# Altium PCB Carte_Alim-light_alim.PcbDoc (part 1 of 3) (continued)
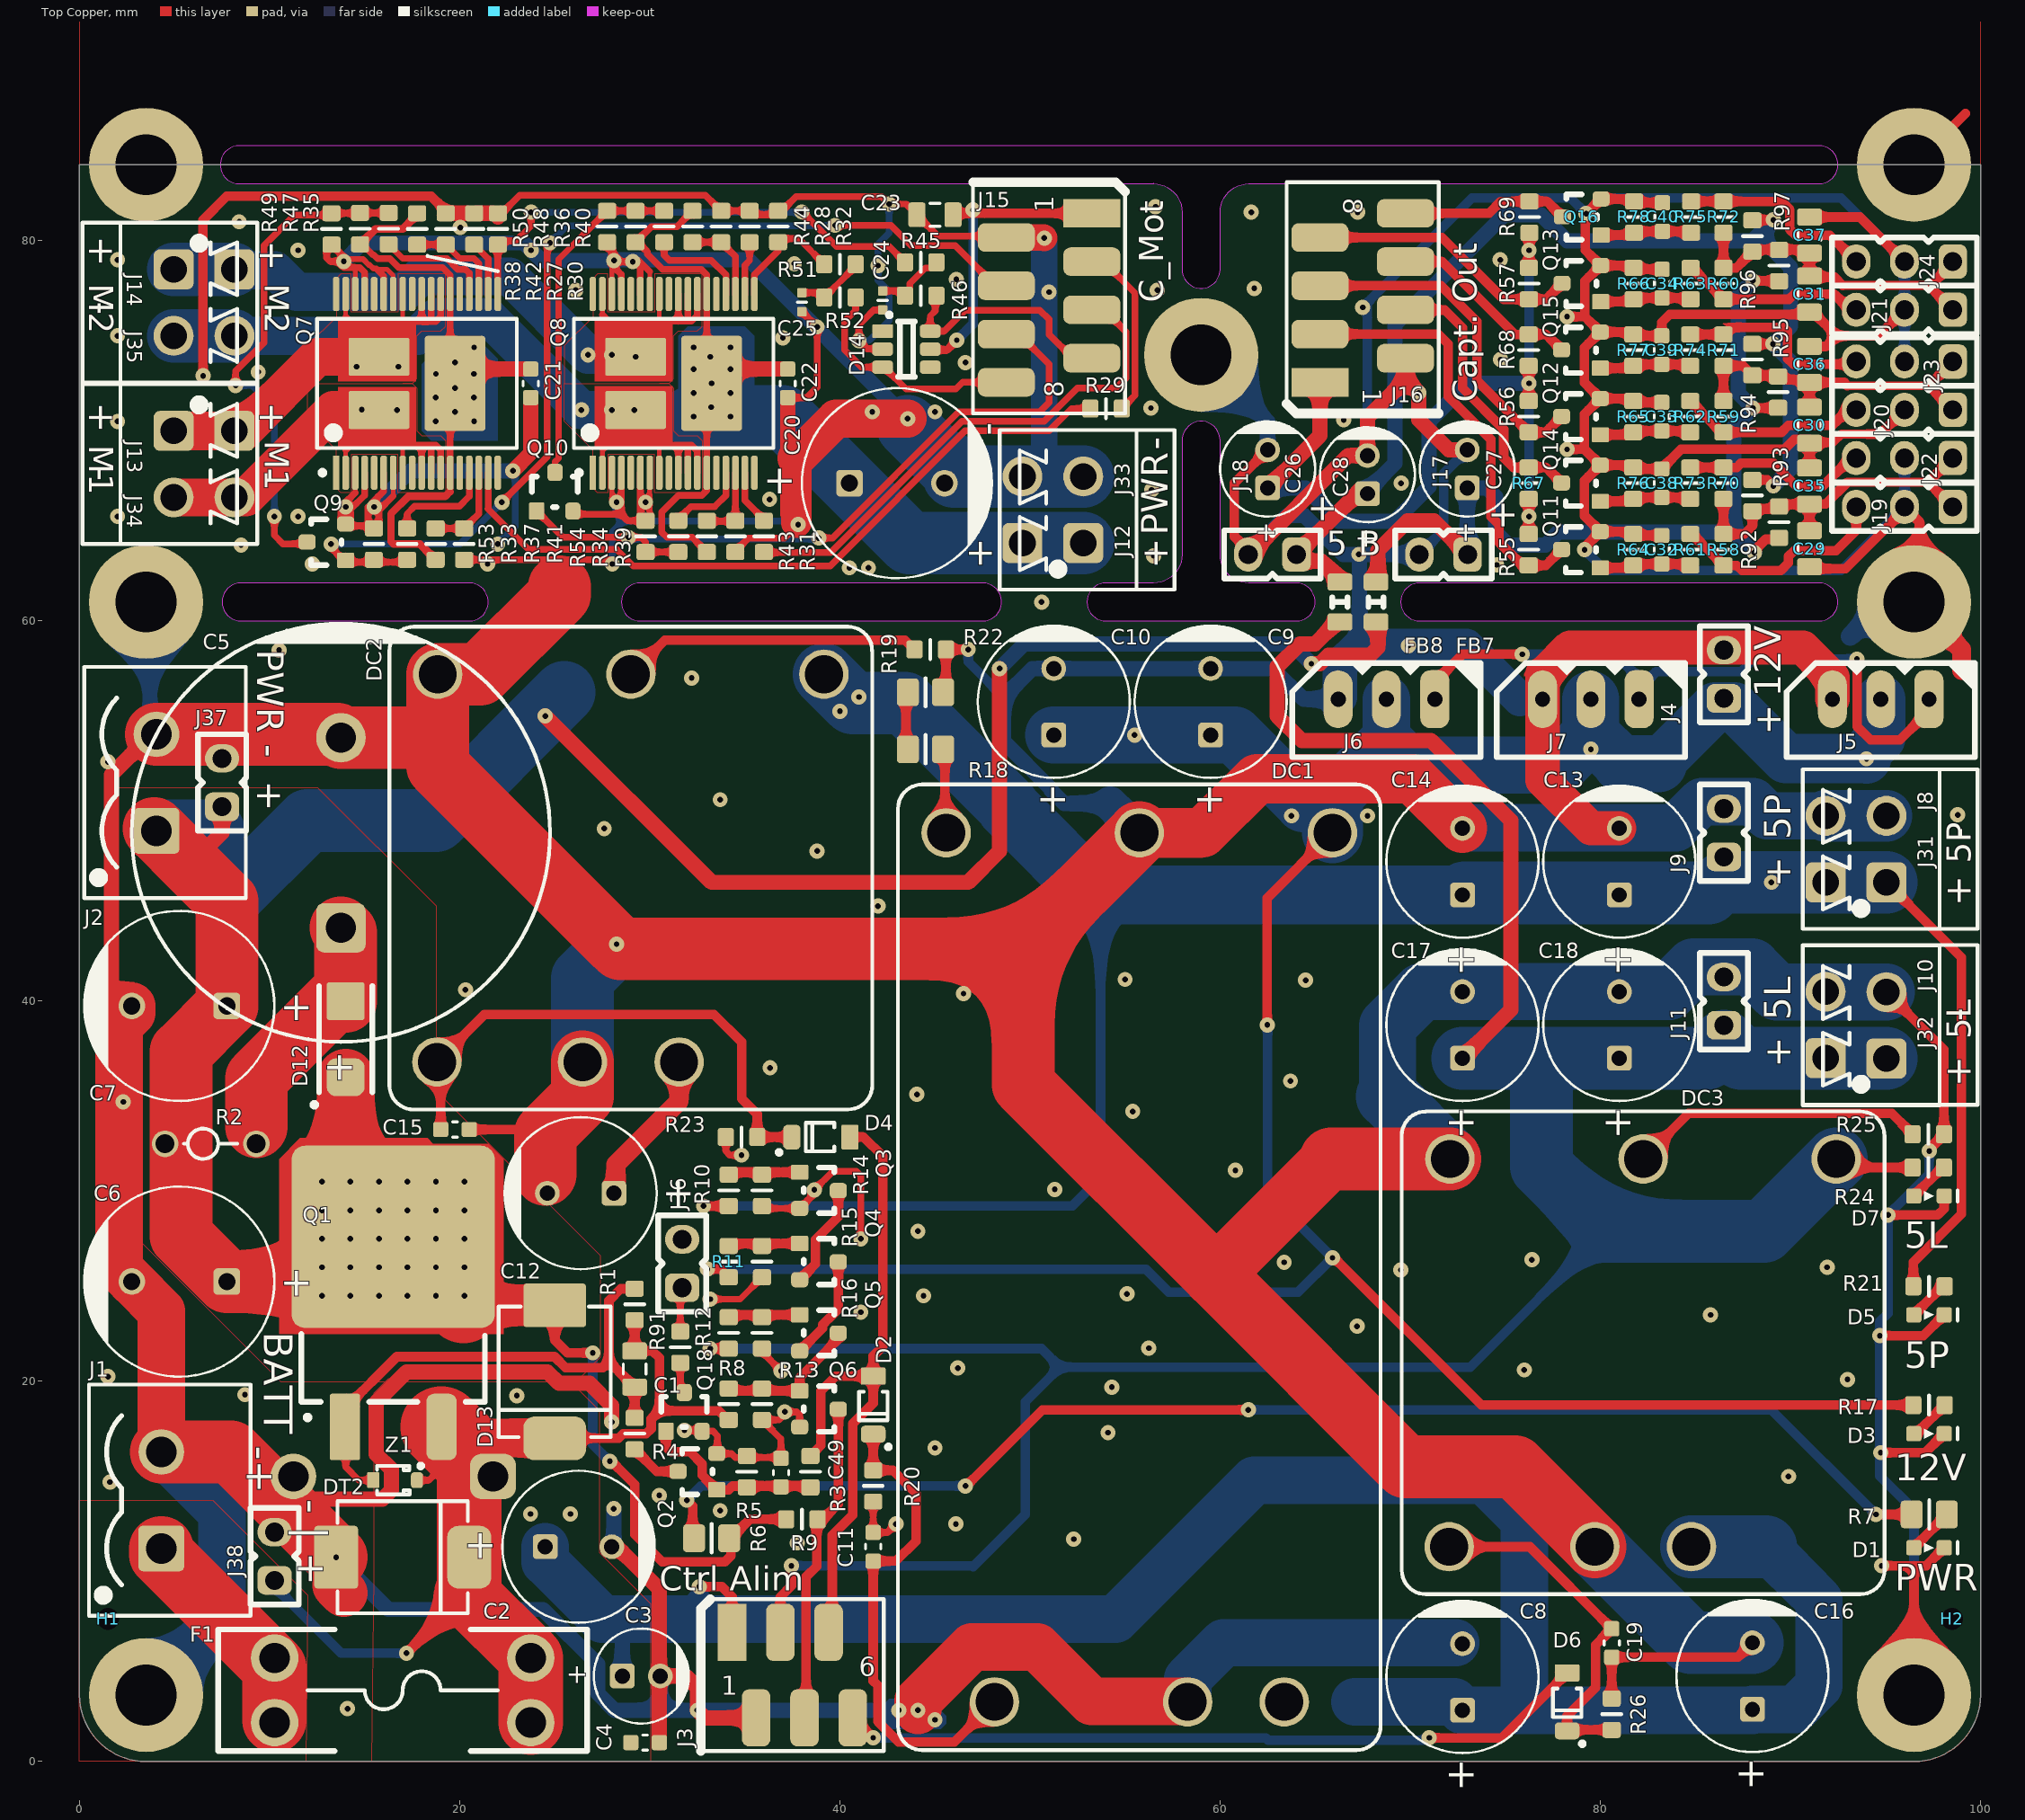
[diagram p0: Top Copper view]
## Design rules (kind name [scope] priority, off if disabled: settings)
AssemblyTestPointUsage [All] p1 off:
AssemblyTestpoint [All] p1 off: testpointundercomponent=TRUE minsize=1.016 maxsize=2.54 preferedsize=1.524 minholesize=0 maxholesize=1.016 preferedholesize=0.813 testpointgrid=0.025 usegrid=TRUE gridtolerance=0 allowsidetop=TRUE allowsidebottom=TRUE
BoardOutlineClearance [All] p1: gap=0.2 ignorepadtopadclearanceinfootprint=FALSE
Clearance Clearance_Power [InNetClass('Power') vs InNet('GND')] p1: gap=0.2 ignorepadtopadclearanceinfootprint=TRUE
Clearance Clearance_Outer_layer [OnOutside] p2: gap=0.127 ignorepadtopadclearanceinfootprint=FALSE except(0.09: Arc-Arc Arc-Track Track-Track; 0.2: Arc-SMDPad Track-SMDPad; 0.254: Arc-Hole Track-Hole SMDPad-Hole THPad-Hole Via-Hole Fill-Hole Poly-Hole Region-Hole Text-Hole; 0.33: Arc-THPad Track-THPad SMDPad-THPad; 0.54: THPad-THPad)
Clearance Clearance_Inner_layer [not OnOutside] p3: gap=0.127 ignorepadtopadclearanceinfootprint=FALSE except(0.2: Arc-SMDPad Track-SMDPad; 0.254: Arc-Hole Track-Hole SMDPad-Hole THPad-Hole Via-Hole Fill-Hole Poly-Hole Region-Hole Text-Hole; 0.33: Arc-THPad Track-THPad SMDPad-THPad; 0.54: THPad-THPad)
ComponentClearance [IsComponent and (not (InComponent('J202') or InComponent('J204'))) vs IsComponent and (not (InComponent('J201') or InComponent('J203')))] p1: gap=0.2 collisioncheckmode=3 verticalgap=2540 showdistances=FALSE
DiffPairsRouting [All] p1 off: maxlimit=0.254 minlimit=0.254 mostfreqgap=0.254 toplayer_minwidth=0.381 toplayer_maxwidth=0.381 toplayer_prefwidth=0.381 bottomlayer_minwidth=0.381 bottomlayer_maxwidth=0.381 bottomlayer_prefwidth=0.381 maxuncoupledlength=12.7
FabricationTestPointUsage TestPointUsage [All] p1 off: valid=0 allowmultiple=FALSE
FabricationTestpoint Testpoint [All] p1 off: side=3 testpointundercomponent=TRUE minsize=1.016 maxsize=2.54 preferedsize=1.524 minholesize=0 maxholesize=1.016 preferedholesize=0.813 testpointgrid=0.025 allowsidetop=TRUE allowsidebottom=TRUE usegrid=TRUE gridtolerance=0
FanoutControl Fanout_BGA [IsBGA] p1 off: bgadir=Out bgaviamode=Centered fanoutstyle=Auto fanoutdirection=Alternating viagrid=0.025 // Fanout_BGA (Default Rule)
FanoutControl Fanout_LCC [IsLCC] p2 off: bgadir=Out bgaviamode=Centered fanoutstyle=Auto fanoutdirection=Alternating viagrid=0.025 // Fanout_LCC (Default Rule)
FanoutControl Fanout_SOIC [IsSOIC] p3 off: bgadir=Out bgaviamode=Centered fanoutstyle=Auto fanoutdirection=Alternating viagrid=0.025 // Fanout_SOIC (Default Rule)
FanoutControl Fanout_Small [(CompPinCount < 5)] p4 off: bgadir=Out bgaviamode=Centered fanoutstyle=Auto fanoutdirection=OutThenIn viagrid=0.025 // Fanout_Small (Default Rule)
FanoutControl Fanout_Default [All] p5 off: bgadir=Out bgaviamode=Centered fanoutstyle=Auto fanoutdirection=Alternating viagrid=0.025 // Fanout_Default (Default Rule)
HoleSize [All] p1: absolutevalues=TRUE maxlimit=6.3 minlimit=0.2 maxpercent=80.000 minpercent=20.000
HoleToHoleClearance ViaToViaClearance [IsVia vs IsVia] p1: gap=0.254 allowstackedmicrovias=TRUE
HoleToHoleClearance [All] p2: gap=0.54 allowstackedmicrovias=TRUE
MinimumAnnularRing [All] p1: minimumring=0.13
MinimumSolderMaskSliver [All] p1: minsoldermaskwidth=0.075
NetAntennae NetAntenna [All] p1: netantennaetolerance=0
PlaneClearance [All] p1: clearance=0.254
PlaneConnect [All] p1: planeconnectstyle=Direct reliefexpansion=0.3 reliefentries=4 reliefconductorwidth=0.3 reliefairgap=0.2
PolygonConnect [All] p1: thpad.connectstyle=Relief thpad.reliefconductorwidth=0.2 thpad.reliefentries=4 thpad.polygonreliefangle="90 Angle" thpad.airgapwidth=0.254 smdpad.connectstyle=Relief smdpad.reliefconductorwidth=0.2 smdpad.reliefentries=4 smdpad.polygonreliefangle="90 Angle" smdpad.airgapwidth=0.254 via.connectstyle=Direct via.reliefconductorwidth=0.2 via.reliefentries=4 via.polygonreliefangle="90 Angle" via.airgapwidth=0.254
RoutingVias [All] p1: holewidth=0.2 width=0.5 viastyle="Through Hole" minholewidth=0.2 minwidth=0.45 maxholewidth=0.3 maxwidth=0.9
SMDEntry [All] p1: side=TRUE corner=TRUE anyangle=TRUE
SilkToSilkClearance [All] p1 off: silktosilkclearance=0.15
SilkToSolderMaskClearance [IsPad] p1: minsilkscreentomaskgap=0.15 clearancetoexposedcopper=TRUE
SolderMaskExpansion [All] p1: expansion=0.05 istentingtop=FALSE
Width Width_Outer_Layer [OnLayer('Component Side') or OnLayer('Solder Side')] p1: maxlimit=5 minlimit=0.09 preferedwidth=0.15
Width Width_Inner_Layer [All] p2: maxlimit=5 minlimit=0.127 preferedwidth=0.15
11 further rules are at their usual default settings.

## Classes and differential pairs
net class Power_low: 3L_CAP 3L_CLAV 3L_M 5L_CAP 5L_CLAV
component class TRACO: C8 C9 C10 C11 C12 C13 C14 C15 C16 C17 C18 C19 D2 D3 D4 D5 D6 D7 DC1 DC2 DC3 J4 J5 J6 J7 J8 J9 J10 J11 J31 J32 R17 R18 R19 R20 R21 R22 R23 R24 R25 R26
component class MOT: C20 C21 C22 C23 C24 C25 D14 J12 J13 J14 J15 J33 J34 J35 Q7 Q8 Q9 Q10 R27 R28 R29 R30 R31 R32 R33 R34 R35 R36 R37 R38 R39 R40 R41 R42 R43 R44 R45 R46 R47 R48 R49 R50 R51 R52 R53 R54
component class CAP: C26 C27 C28 C29 C30 C31 C32 C33 C34 C35 C36 C37 C38 C39 C40 FB7 FB8 J16 J17 J18 J19 J20 J21 J22 J23 J24 Q11 Q12 Q13 Q14 Q15 Q16 R55 R56 R57 R58 R59 R60 R61 R62 R63 R64 R65 R66 R67 R68 R69 R70 R71 R72 R73 R74 R75 R76 R77 R78 R92 R93 R94 R95 R96 R97
component class Carte_Alim_TOP: C1 C2 C3 C4 C5 C6 C7 C49 C? D1 D12 D13 D? DC? DT2 F1 F? FB? H1 H2 J1 J2 J3 J36 J37 J38 J? Q1 Q2 Q3 Q4 Q5 Q6 Q18 Q? R1 R2 R3 R4 R5 R6 R7 R8 R9 R10 R11 R12 R13 R14 R15 R16 R91 R? Z1
net class Power: 5L 5P 12V ALIM_AU BATT_P MOT1_N MOT1_P MOT2_N MOT2_P PWR SW_AU SW_L VBATT VBATT_CLAV

## Components (designator, comment, footprint, x,y, rotation, side; value= is the part's Value field where it differs from the comment)
C1 "1uF" "WCAP-CSGP_0805, 2x1.25x1.25" 29.2,20.65 r90 top
C2 "220 uF" WCAP-ATG8_8x11.5x3.5x0.5 26.25,11.3 r180 top
C3 "10 uF" WCAP-ATG8_5x11x2x0.5 29.55,4.5 r180 top
C4 "100nF" "WCAP-CSGP_0603, 1.6x0.8x0.8" 29.75,1 r180 top
C5 "10 mF" WCAP-ATG8_22x41x10x0.8 13.75,48.86 r270 top
C6 "330 uF" WCAP-ATG8_10x12.5x5x0.6 5.25,25.25 r0 top
C7 "330 uF" WCAP-ATG8_10x12.5x5x0.6 5.25,39.75 r0 top
C8 "220 uF" WCAP-ATG8_8x11.5x3.5x0.5 72.75,4.45 r270 top
C9 "470 uF" WCAP-ATG8_8x11.5x3.5x0.5 59.5,55.75 r270 top
C10 "470 uF" WCAP-ATG8_8x11.5x3.5x0.5 51.25,55.75 r270 top
C11 "100nF" "WCAP-CSGP_0603, 1.6x0.8x0.8" 41.75,11.3 r270 top
C12 "220 uF" WCAP-ATG8_8x11.5x3.5x0.5 26.36,29.9 r0 top
C13 "470 uF" WCAP-ATG8_8x11.5x3.5x0.5 81,47.34 r270 top
C14 "470 uF" WCAP-ATG8_8x11.5x3.5x0.5 72.75,47.34 r270 top
C15 "100nF" "WCAP-CSGP_0603, 1.6x0.8x0.8" 19.75,33.25 r180 top
C16 "220 uF" WCAP-ATG8_8x11.5x3.5x0.5 88,4.5 r270 top
C17 "470 uF" WCAP-ATG8_8x11.5x3.5x0.5 72.75,38.75 r270 top
C18 "470 uF" WCAP-ATG8_8x11.5x3.5x0.5 81,38.75 r270 top
C19 "100nF" "WCAP-CSGP_0603, 1.6x0.8x0.8" 80.6,6.24 r90 top
C20 "330 uF" WCAP-ATG8_10x12.5x5x0.6 43,67.25 r180 top
C21 "100nF" "WCAP-CSGP_0603, 1.6x0.8x0.8" 23.735,72.5 r90 top
C22 "100nF" "WCAP-CSGP_0603, 1.6x0.8x0.8" 37.25,72.5 r90 top
C23 "1uF" "WCAP-CSGP_0805, 2x1.25x1.25" 45,81.368 r0 top
C24 "10nF" "WCAP-CSGP_0402, 1x0.5x0.5" 42.25,76.865 r90 top
C25 "10nF" "WCAP-CSGP_0402, 1x0.5x0.5" 38,76.77 r90 top
C26 "10 uF" WCAP-ATG8_5x11x2x0.5 62.5,68 r270 top
C27 "10 uF" WCAP-ATG8_5x11x2x0.5 73,68 r270 top
C28 "10 uF" WCAP-ATG8_5x11x2x0.5 67.75,67.7 r270 top
C29 "1uF" "WCAP-CSGP_0805, 2x1.25x1.25" 91,63.8 r90 top
C30 "1uF" "WCAP-CSGP_0805, 2x1.25x1.25" 91,70.3 r90 top
C31 "1uF" "WCAP-CSGP_0805, 2x1.25x1.25" 91,77.2 r90 top
C32 "100nF" "WCAP-CSGP_0603, 1.6x0.8x0.8" 83.23,63.75 r90 top
C33 "100nF" "WCAP-CSGP_0603, 1.6x0.8x0.8" 83.23,70.75 r90 top
C34 "100nF" "WCAP-CSGP_0603, 1.6x0.8x0.8" 83.25,77.75 r90 top
C35 "1uF" "WCAP-CSGP_0805, 2x1.25x1.25" 91,67.1 r270 top
C36 "1uF" "WCAP-CSGP_0805, 2x1.25x1.25" 91,73.5 r270 top
C37 "1uF" "WCAP-CSGP_0805, 2x1.25x1.25" 91,80.3 r270 top
C38 "100nF" "WCAP-CSGP_0603, 1.6x0.8x0.8" 83.23,67.25 r90 top
C39 "100nF" "WCAP-CSGP_0603, 1.6x0.8x0.8" 83.23,74.25 r90 top
C40 "100nF" "WCAP-CSGP_0603, 1.6x0.8x0.8" 83.27,81.25 r90 top
C49 "100nF" "WCAP-CSGP_0603, 1.6x0.8x0.8" 36.9,15.2 r270 top
D1 "150060RS75000" SMCW_0603 97.29,11.25 r180 top value=Rouge
D2 "RBR3MM40ATFTR" SOD-123FL 41.75,18.75 r270 top value=40V
D3 "150060RS75000" SMCW_0603 97.29,17.25 r180 top value=Rouge
D4 "RBR3MM40ATFTR" SOD-123FL 39,32.85 r180 top value=40V
D5 "150060RS75000" SMCW_0603 97.29,23.5 r180 top value=Rouge
D6 "RBR3MM40ATFTR" SOD-123FL 78.25,3.14 r270 top value=40V
D7 "150060RS75000" SMCW_0603 97.29,29.75 r180 top value=Rouge
D12 "HTA5U100" "SMA, DO-214AC" 14,38 r90 top value=100V
D13 "RS3J R6" "SMC, DO-214AB" 25,20.5 r90 top value=600V
D14 "824001" SOT-23-6L 43.5,74.3 r270 top value=5V
DC1 "TEN 60-2412WIN" "TEN 60" 55.75,26 r270 top
DC2 "THN30-2411WI-A1" "THN 30WI-A1" 29,47 r180 top
DC3 "THN15-2411WI" "THN 15WI" 82.25,21.5 r180 top
DT2 "824540241" "SMC, DO-214AB" 17,10.75 r180 top value=24V
F1 "3557-2" 3557-2 17,3.75 r0 top value=na
FB7 "742792023" "WE-CBF_0805_High Current" 68.2,61 r90 top value=120Ω
FB8 "742792023" "WE-CBF_0805_High Current" 66.3,61 r90 top value=120Ω
H1 "1.152mm" Tooling_hole_JLCPCB 1.5,7.5 r0 top
H2 "1.152mm" Tooling_hole_JLCPCB 98.5,7.5 r0 top
J1 "691311500102" 691311500102 4.75,13.75 r90 top value=2
J2 "691311500102" 691311500102 4.5,51.5 r90 top value=2
J3 "690367280676" 690367280676 37.5,4.55 r180 top value=6
J4 "22-03-2021" 22-03-2021 86.5,57.2 r270 top
J5 "22-03-5035" 20-03-5035 94.75,55.25 r0 top
J6 "22-03-5035" 20-03-5035 68.75,55.25 r0 top
J7 "22-03-5035" 20-03-5035 79.5,55.25 r0 top
J8 "691322110002" 691322110002 95.25,48 r90 top value=2
J9 "22-03-2021" 22-03-2021 86.5,48.86 r270 top
J10 "691322110002" 691322110002 95.25,38.75 r90 top value=2
J11 "22-03-2021" 22-03-2021 86.5,40 r270 top
J12 "691322110002" 691322110002 53,65.85 r90 top value=2
J13 "691322110002" 691322110002 4.75,68.25 r270 top value=2
J14 "691322110002" 691322110002 4.75,76.75 r270 top value=2
J15 "690367280876" 690367280876 51,77 r90 top value=8
J16 "690367280876" 690367280876 67.5,77 r270 top value=8
J17 "22-03-2021" 22-03-2021 71.75,63.5 r0 top
J18 "22-03-2021" 22-03-2021 62.75,63.5 r0 top
J19 "22-03-2031" 22-03-2031 96,66 r0 top
J20 "22-03-2031" 22-03-2031 96,71.11 r0 top
J21 "22-03-2031" 22-03-2031 96,76.37 r0 top
J22 "22-03-2031" 22-03-2031 96,68.57 r0 top
J23 "22-03-2031" 22-03-2031 96,73.65 r0 top
J24 "22-03-2031" 22-03-2031 96,78.91 r0 top
J31 "691321100002" 691321100002 94.25,48 r90 top value=2
J32 "691321100002" 691321100002 94.25,38.73 r90 top value=2
J33 "691321100002" 691321100002 52,65.85 r90 top value=2
J34 "691321100002" 691321100002 5.75,68.25 r270 top value=2
J35 "691321100002" 691321100002 5.75,76.75 r270 top value=2
J36 "22-03-2021" 22-03-2021 31.7,26.2 r270 top
J37 "22-03-2021" 22-03-2021 7.5,51.5 r270 top
J38 "22-03-2021" 22-03-2021 10.265,10.8 r270 top
Q1 "SQM120P06-07L_GE3" "TO263AB, D2PAK" 16.5,22.6 r0 top
Q2 "2N7002" SOT-23 32.5,15.25 r90 top
Q3 "2N7002" SOT-23 38.9,30.05 r270 top
Q4 "2N7002" SOT-23 38.9,26.3 r270 top
Q5 "2N7002" SOT-23 38.9,22.55 r270 top
Q6 "2N7002" SOT-23 38.9,18.55 r270 top
Q7 "VNH5180ATR-E" SSOP50P1030X247-36N 17.75,72.5 r90 top
Q8 "VNH5180ATR-E" SSOP50P1030X247-36N 31.25,72.5 r90 top
Q9 "2N7002" SOT-23 12.984,64.147 r90 top
Q10 "2N7002" SOT-23 25,66.798 r0 top
Q11 "2N7002" SOT-23 78.98,63.75 r90 top
Q12 "2N7002" SOT-23 78.98,70.75 r90 top
Q13 "2N7002" SOT-23 79,77.75 r90 top
Q14 "2N7002" SOT-23 78.98,67.25 r90 top
Q15 "2N7002" SOT-23 78.98,74.25 r90 top
Q16 "2N7002" SOT-23 79.02,81.25 r90 top
Q18 "2N7002" SOT-23 31.8,18.396 r0 top
R1 "RC0603FR-0710KL" RESC1608X06N 29.2,24.05 r270 top value=10k
R2 "1k" RESADV480W80L1200D390 6.9,32.5 r0 top
R3 "RC0603FR-0710KL" RESC1608X06N 38.45,15.25 r270 top value=10k
R4 "RC0603FR-0710KL" RESC1608X06N 29.2,17.25 r270 top value=10k
R5 "RC0603FR-0710KL" RESC1608X06N 35.1,15.25 r90 top value=10k
R6 "RC0805FR-072K7L" RESC2012X06N 33.25,11.75 r180 top value=2.7k
R7 "RC0805FR-072K7L" RESC2012X06N 97.3,13 r180 top value=2.7k
R8 "RC0603FR-0710KL" RESC1608X06N 34.15,18.8 r270 top value=10k
R9 "RC0603FR-071KL" RESC1608X06N 38,12.75 r180 top value=1k
R10 "RC0603FR-071KL" RESC1608X06N 34.15,30.05 r270 top value=1k
R11 "RC0603FR-071KL" RESC1608X06N 34.15,26.3 r270 top value=1k
R12 "RC0603FR-071KL" RESC1608X06N 34.15,22.55 r270 top value=1k
R13 "RC0603FR-0710KL" RESC1608X06N 35.9,18.8 r90 top value=10k
R14 "RC0603FR-0710KL" RESC1608X06N 35.9,30.05 r90 top value=10k
R15 "RC0603FR-0710KL" RESC1608X06N 35.9,26.3 r90 top value=10k
R16 "RC0603FR-0710KL" RESC1608X06N 35.9,22.55 r90 top value=10k
R17 "RC0603FR-071K8L" RESC1608X06N 97.29,18.75 r180 top value=1.8k
R18 "RC0805FR-072K7L" RESC2012X06N 44.5,53.25 r180 top value=2.7k
R19 "RC0805FR-072K7L" RESC2012X06N 44.5,56.25 r0 top value=2.7k
R20 "RC0603FR-0710KL" RESC1608X06N 41.75,14.5 r90 top value=10k
R21 "RC0603FR-071KL" RESC1608X06N 97.29,25 r0 top value=1k
R22 "RC0603FR-0710KL" RESC1608X06N 44.75,58.5 r0 top value=10k
R23 "RC0603FR-0710KL" RESC1608X06N 34.825,32.85 r0 top value=10k
R24 "RC0603FR-071KL" RESC1608X06N 97.25,31.25 r0 top value=1k
R25 "RC0603FR-0710KL" RESC1608X06N 97.25,33 r0 top value=10k
R26 "RC0603FR-0710KL" RESC1608X06N 80.6,2.49 r270 top value=10k
R27 "RC0603FR-0710KL" RESC1608X06N 20.759,80.625 r270 top value=10k
R28 "RC0603FR-0710KL" RESC1608X06N 35.25,80.75 r270 top value=10k
R29 "RC0603FR-071KL" RESC1608X06N 54,71.175 r180 top value=1k
R30 "RC0603FR-07620RL" RESC1608X06N 22.009,80.625 r270 top value=620
R31 "RC0603FR-071KL" RESC1608X06N 36,64.452 r90 top value=1k
R32 "RC0603FR-07620RL" RESC1608X06N 36.75,80.75 r270 top value=620
R33 "RC0603FR-071KL" RESC1608X06N 17.234,64.047 r90 top value=1k
R34 "RC0603FR-071KL" RESC1608X06N 31.5,64.453 r90 top value=1k
R35 "RC0603FR-071KL" RESC1608X06N 16.259,80.64 r270 top value=1k
R36 "RC0603FR-071KL" RESC1608X06N 30.75,80.75 r270 top value=1k
R37 "RC0603FR-0710KL" RESC1608X06N 18.734,64.047 r270 top value=10k
R38 "RC0603FR-0710KL" RESC1608X06N 17.759,80.625 r90 top value=10k
R39 "RC0603FR-0710KL" RESC1608X06N 33,64.453 r270 top value=10k
R40 "RC0603FR-0710KL" RESC1608X06N 32.25,80.75 r90 top value=10k
R41 "RC0603FR-071KL" RESC1608X06N 20.234,64.047 r90 top value=1k
R42 "RC0603FR-071KL" RESC1608X06N 19.259,80.625 r270 top value=1k
R43 "RC0603FR-071KL" RESC1608X06N 34.5,64.453 r90 top value=1k
R44 "RC0603FR-071KL" RESC1608X06N 33.75,80.75 r270 top value=1k
R45 "RC0603FR-0710KL" RESC1608X06N 44.25,78.865 r0 top value=10k
R46 "RC0603FR-071KL" RESC1608X06N 44.25,77.115 r0 top value=1k
R47 "RC0603FR-0710KL" RESC1608X06N 14.759,80.64 r270 top value=10k
R48 "RC0603FR-0710KL" RESC1608X06N 29.25,80.75 r270 top value=10k
R49 "RC0603FR-071K8L" RESC1608X06N 13.259,80.625 r90 top value=1.8k
R50 "RC0603FR-071K8L" RESC1608X06N 27.75,80.75 r90 top value=1.8k
R51 "RC0603FR-0710KL" RESC1608X06N 40,78.77 r0 top value=10k
R52 "RC0603FR-071KL" RESC1608X06N 40,77.02 r0 top value=1k
R53 "RC0603FR-0710KL" RESC1608X06N 15.484,64.047 r270 top value=10k
R54 "RC0603FR-0710KL" RESC1608X06N 29.776,64.453 r270 top value=10k
R55 "RC0603FR-0710KL" RESC1608X06N 76.23,63.75 r90 top value=10k
R56 "RC0603FR-0710KL" RESC1608X06N 76.23,70.75 r90 top value=10k
R57 "RC0603FR-0710KL" RESC1608X06N 76.25,77.75 r90 top value=10k
R58 "RC0603FR-0710KL" RESC1608X06N 86.48,63.75 r90 top value=10k
R59 "RC0603FR-0710KL" RESC1608X06N 86.48,70.75 r90 top value=10k
R60 "RC0603FR-0710KL" RESC1608X06N 86.48,77.75 r90 top value=10k
R61 "RC0603FR-0710KL" RESC1608X06N 84.73,63.75 r270 top value=10k
R62 "RC0603FR-0710KL" RESC1608X06N 84.73,70.75 r270 top value=10k
R63 "RC0603FR-0710KL" RESC1608X06N 84.75,77.75 r270 top value=10k
R64 "RC0603FR-0710KL" RESC1608X06N 81.73,63.75 r270 top value=10k
R65 "RC0603FR-0710KL" RESC1608X06N 81.73,70.75 r270 top value=10k
R66 "RC0603FR-0710KL" RESC1608X06N 81.75,77.75 r270 top value=10k
R67 "RC0603FR-0710KL" RESC1608X06N 76.23,67.25 r270 top value=10k
R68 "RC0603FR-0710KL" RESC1608X06N 76.23,74.25 r270 top value=10k
R69 "RC0603FR-0710KL" RESC1608X06N 76.27,81.25 r270 top value=10k
R70 "RC0603FR-0710KL" RESC1608X06N 86.48,67.25 r270 top value=10k
R71 "RC0603FR-0710KL" RESC1608X06N 86.48,74.25 r270 top value=10k
R72 "RC0603FR-0710KL" RESC1608X06N 86.48,81.25 r270 top value=10k
R73 "RC0603FR-0710KL" RESC1608X06N 84.73,67.25 r270 top value=10k
R74 "RC0603FR-0710KL" RESC1608X06N 84.73,74.25 r270 top value=10k
R75 "RC0603FR-0710KL" RESC1608X06N 84.77,81.25 r270 top value=10k
R76 "RC0603FR-0710KL" RESC1608X06N 81.73,67.25 r270 top value=10k
R77 "RC0603FR-0710KL" RESC1608X06N 81.73,74.25 r270 top value=10k
R78 "RC0603FR-0710KL" RESC1608X06N 81.77,81.25 r270 top value=10k
R91 "RC0603FR-0768RL" RESC1608X06N 31.6,21.8 r90 top value=68
R92 "RC0603FR-070RL" RESC1608X06N 88,66.6 r270 top value=0
R93 "RC0603FR-070RL" RESC1608X06N 89.4,65.2 r90 top value=0
R94 "RC0603FR-070RL" RESC1608X06N 88,73.75 r270 top value=0
R95 "RC0603FR-070RL" RESC1608X06N 89.35,72.04 r90 top value=0
R96 "RC0603FR-070RL" RESC1608X06N 88,80.25 r270 top value=0
R97 "RC0603FR-070RL" RESC1608X06N 89.4,78.7 r90 top value=0
Z1 "MM3Z15VST1G" SOD-323 16.6,14.8 r0 top value=14.6V

## Footprints (in the part's own frame and the unit in brackets; to place one, negate y for a bottom-side part, rotate by r counter-clockwise, add the part's x,y. Pads: shape width x height; smd on the part's side, far side on the other; paste and mask are expansions set on the pad)
20-03-5035 [mil]
  rrect70% 60x120 hole 31.5: 1(100,25)
  oval 60x120 hole 31.5: 2(0,25) 3(-100,25)
  silkscreen extent -195,-95 195,100, body extent -195,-96 194,97, height 234
22-03-2021 [mm]
  rrect50% 1.5x1.8 hole 1: 1(1.27,0)
  oval 1.5x1.8 hole 1: 2(-1.27,0)
  silkscreen extent -2.54,-1.27 2.54,1.27, body extent -2.54,-1.27 2.54,1.27, height 11.6
22-03-2031 [mm]
  rrect50% 1.5x1.8 hole 1: 1(2.54,0)
  oval 1.5x1.8 hole 1: 2(0,0) 3(-2.54,0)
  silkscreen extent -3.81,-1.27 3.81,1.27, body extent -3.81,-1.27 3.81,1.27, height 11.6
3557-2 [mm] "Fuse holder"
  round 2.5 hole 1.6: 1(-6.735,1.7) 2(6.735,1.7) 3(-6.735,-1.7) 4(6.735,-1.7)
  silkscreen extent -9.7,-3.2 9.7,3.2, body extent -9.91,-3.38 9.91,3.36, height 7.39
690367280676 [mm] "6 pins, SMT, straight, without Latch"
  rect 1.5x3 smd: 1(3.175,-2.25)
  rrect50% 1.5x3 smd: 2(1.905,2.25) 3(0.635,-2.25) 4(-0.635,2.25) 5(-1.905,-2.25) 6(-3.175,2.25)
  silkscreen extent -4.81,-4 4.81,4, body extent -4.81,-5 4.81,3.5, height 5.75
690367280876 [mm] "8 pins, SMT, straight, without Latch"
  rect 1.5x3 smd: 1(4.445,-2.25)
  rrect50% 1.5x3 smd: 2(3.175,2.25) 3(1.905,-2.25) 4(0.635,2.25) 5(-0.635,-2.25) 6(-1.905,2.25) 7(-3.175,-2.25) 8(-4.445,2.25)
  silkscreen extent -6.08,-4 6.08,4, body extent -6.08,-5 6.08,3.5, height 5.75
691311500102 [mm] "5,08mm - PCB Headers - Vertical - Closed ends -02p"
  rrect20% 2.4x2.4 hole 1.6: 1(-2.54,0.45)
  round 2.4 hole 1.6: 2(2.54,0.45)
  silkscreen extent -6.08,-4.25 6.08,4.25, body extent -6.08,-4.25 6.08,4.25, height 12.05
691321100002 [mm] "Vertical PCB Header, pitch 3.5mm, 02p"
  rrect30% 2.1x2.1 hole 1.4: 1(-1.75,-0.8)
  round 2.1 hole 1.4: 2(1.75,-0.8)
  silkscreen extent -4.2,-3.6 4.2,3.6, body extent -4.2,-3.6 4.2,3.6, height 9.3
691322110002 [mm] "Horizontal PCB Header, pitch 3.5mm, 02p"